# Allegro board 08_041351d.brd (continued)
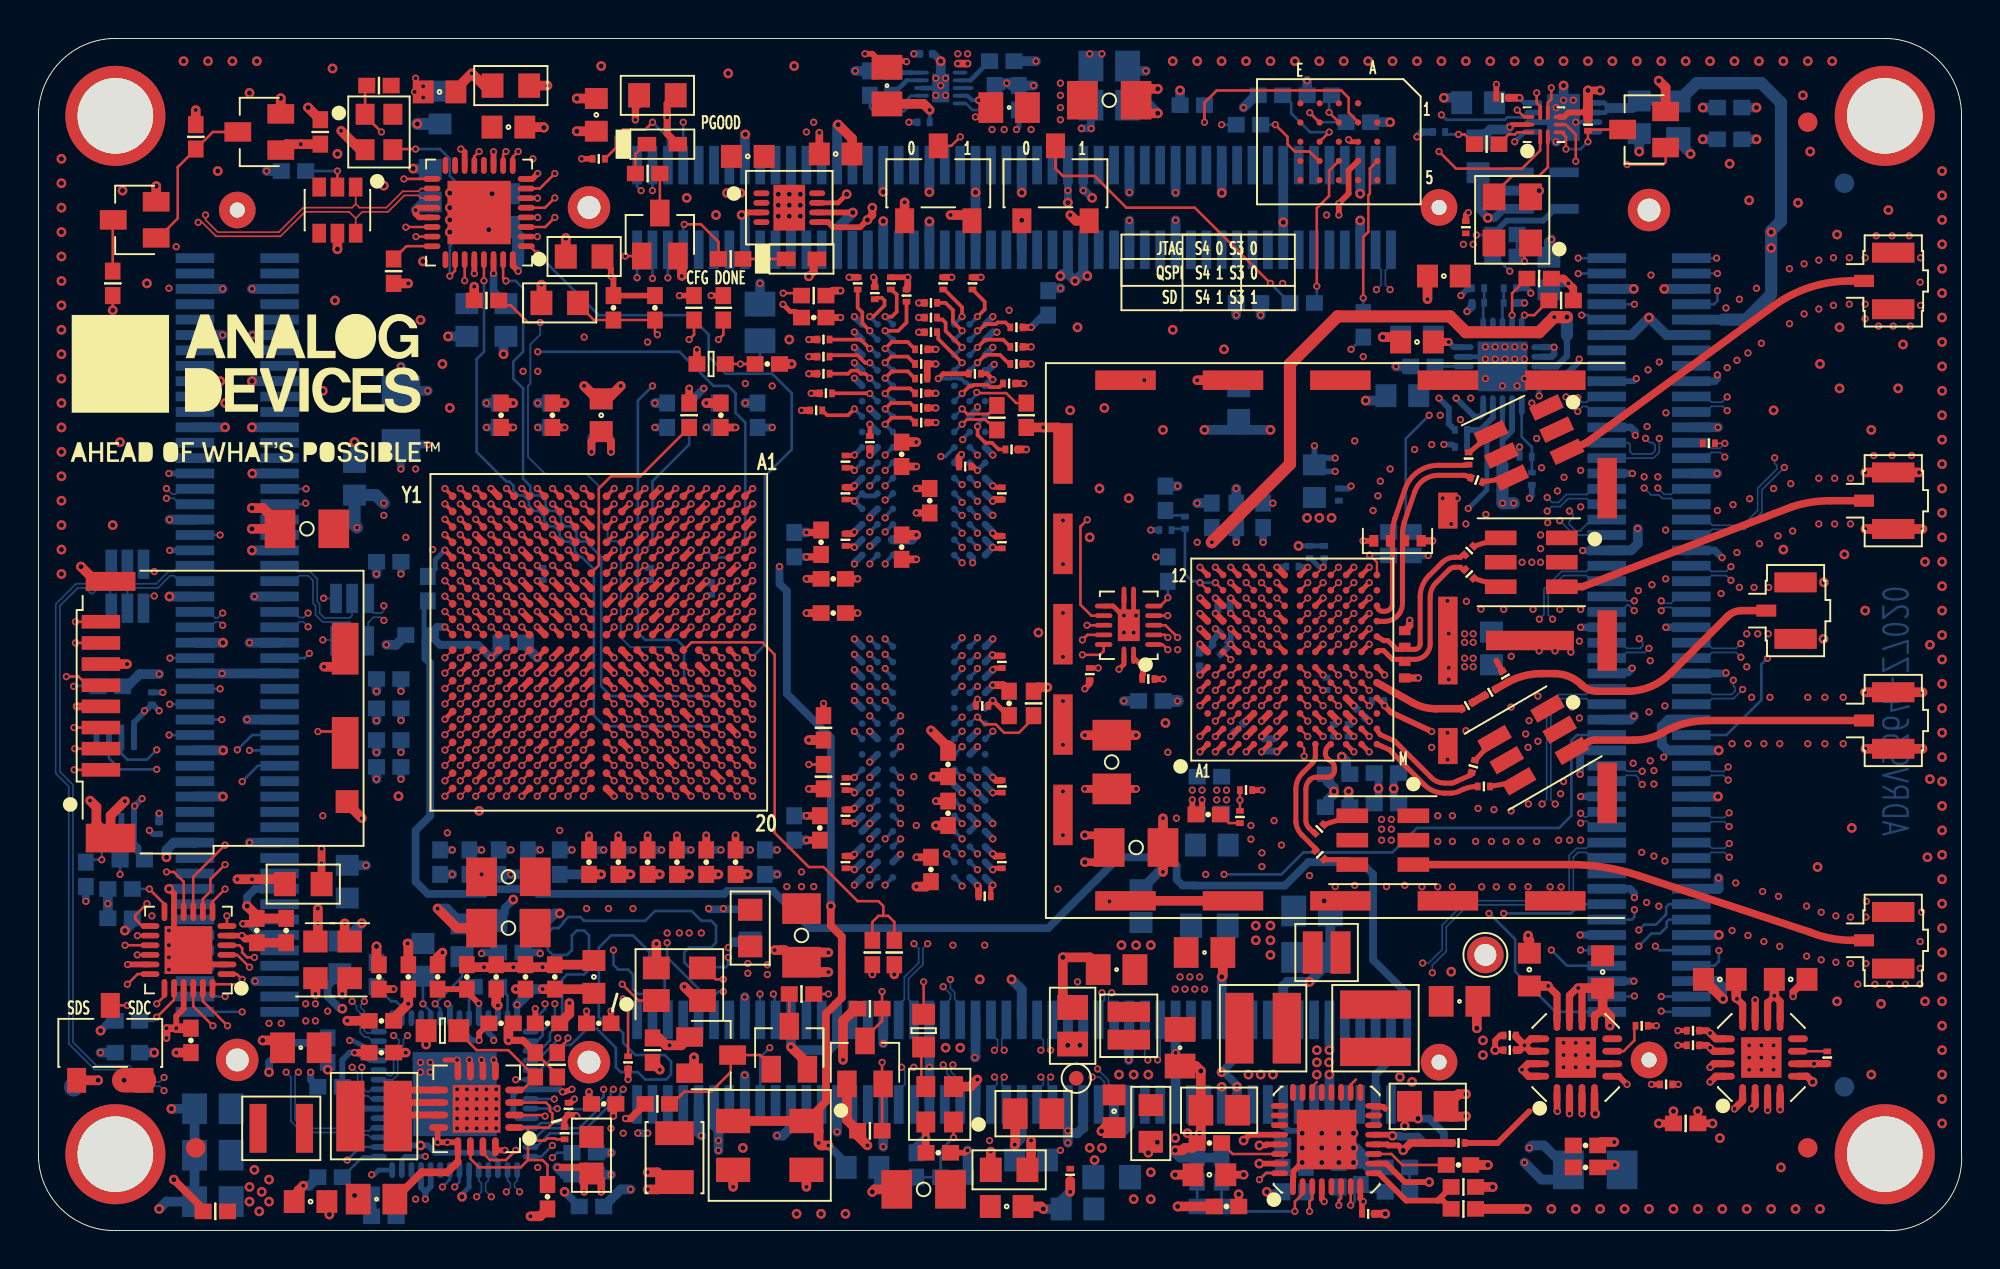
[diagram p0: board, top side]
## Nets (continued)
UNNAMED_8_CAP_I209_N2: C25.2(N2) T2.6(SEC_DOT)
UNNAMED_8_CAP_I210_N2: C26.2(N2) T2.4
UNNAMED_8_CAP_I395_N2: C12.2(N2) R2.2(N2)
UNNAMED_8_CAP_I409_N2: C99.2(N2) T4.6(SEC_DOT)
UNNAMED_8_CAP_I410_N2: C110.2(N2) T4.4
UNNAMED_8_CAP_I416_N1: C85.1 T3.6(SEC_DOT)
UNNAMED_8_CAP_I417_N1: C90.1 T3.4
UNNAMED_8_CAP_I425_N2: C105.2(N2) R123.2(N2)
UNNAMED_8_CNBNC3P_I358_CNTR: RXA.1 T1.3
UNNAMED_8_CNBNC3P_I359_CNTR: T2.3 TXA.1
UNNAMED_8_CNBNC3P_I360_CNTR: R1.1 R101.1 TXM.1
UNNAMED_8_CNBNC3P_I404_CNTR: T4.3 TXB.1
UNNAMED_8_CNBNC3P_I421_CNTR: RXB.1 T3.3
UNNAMED_8_ICFXL4T245_I328_T: R59.1 U22.6
UNNAMED_9_ADP1754_I1076_SS: C311.1 U19.7
UNNAMED_9_ADP1754_I1374_SS: C340.1 U20.7
UNNAMED_9_ADP2114_I1272_FREQ: R10.2(N2) U4.3
UNNAMED_9_ADP2114_I1272_OPCFG: R20.2(N2) U4.6
UNNAMED_9_ADP2114_I1272_SS1: C142.2(N2) U4.30
UNNAMED_9_ADP2114_I1272_SS2: C144.2(N2) U4.11
UNNAMED_9_ADP2114_I1272_SW1: L3.1 U4.23 U4.24
UNNAMED_9_ADP2114_I1272_SW3: L4.1 U4.17 U4.18
UNNAMED_9_ADP2164_I831_PVIN1: C66.1 L302.2(N2) R301.2(N2) R304.2(N2) U18.12 U18.13
UNNAMED_9_ADP2164_I831_RT: R38.1 U18.2
UNNAMED_9_ADP2164_I831_SYNC: C61.1 R301.1 U18.1 U18.3 U18.14(VIN)
UNNAMED_9_CAP_I1364_N1: C64.1 L3.2(N2) L10.1
UNNAMED_9_CAP_I1394_N1: C119.1 C127.1 L5.2(N2) L6.1
UNNAMED_9_CAP_I1398_N2: C127.2(N2) R48.2(N2) R49.1
UNNAMED_9_CAP_I1401_N1: C65.1 L4.2(N2) L7.1
UNNAMED_9_CAP_I1416_N2: C114.2(N2) R47.1
UNNAMED_9_CAP_I1449_N1: C69.1 R46.2(N2)
UNNAMED_9_DIOLED_I1180_N: D3.C R113.1
UNNAMED_9_RES_I987_N2: Q14.3 R113.2(N2)
UNNAMED_10_AD7291_I1_AS0: R65.2(N2) R66.1 U24.11
UNNAMED_10_AD7291_I1_AS1: R63.2(N2) R64.1 U24.13
UNNAMED_10_AD7291_I1_DCAP: C133.1 U24.8
UNNAMED_10_AD7291_I1_VIN3: R67.2(N2) R68.1 U24.1
UNNAMED_10_AD7291_I1_VIN6: R61.2(N2) R62.1 U24.4
UNNAMED_10_AD7291_I1_VREF: C158.1 U24.7(VREF)
UNNAMED_10_ADG772_I53_D1: C216.1 U5.2
UNNAMED_10_ADG772_I53_IN1: Q6.3 R33.2(N2) U5.4
UNNAMED_10_ADG772_I53_S1A: C62.2(N2) U5.1
UNNAMED_10_ADG772_I53_S1B: U5.3 Y4.3
UNNAMED_10_ADM7160_I65_VOUT: C5.1 C113.1 R55.1 U7.5(VOUT) Y4.4(VDD)
UNNAMED_10_RES_I39_N2: R54.2(N2) R55.2(N2) Y4.1
UNNAMED_13_CN100PODDEVEN_I16_N4: JP3.2(COM) JX3.58
UNNAMED_13_CN100PODDEVEN_I16_N5: JP4.2(COM) JX3.60
UNNAMED_13_CN100PODDEVEN_I17_N4: JP1.2(COM) JX3.57
UNNAMED_13_CN100PODDEVEN_I17_N5: JP2.2(COM) JX3.59
USB_ID: JX3.63 U15.23
USB_OTG_CPEN: JX3.70 U15.17
USB_OTG_N: JX3.69 U15.19 U16.6
USB_OTG_P: JX3.67 U15.18 U16.1
USB_VBUS_OTG: JX3.68(N9) U15.22
V_0_N: JX3.3 U1.K9
V_0_P: JX3.1 U1.L10
VTT_0P75: C79.1 C80.1 C101.1 R136.2(N2) R137.2(N2) R138.2(N2) R139.2(N2) R140.2(N2) R141.2(N2) R143.2(N2) R144.2(N2) R145.2(N2) R146.2(N2) R147.2(N2) R148.2(N2) R149.2(N2) R150.2(N2) R151.2(N2) R152.2(N2) R153.2(N2) R154.2(N2) R155.2(N2) R156.2(N2) R159.2(N2) R160.2(N2) R161.1 R162.2(N2) R163.2(N2) U14.3 U24.2
VTTVREF: C76.1 C77.1 C81.1 C84.1 C102.1 C103.1 C122.2(N2) C123.2(N2) U1.H6 U1.P6 U2.H1 U2.M8 U3.H1 U3.M8 U14.6 U24.3
XTAL_N: C165.1 C216.2(N2) U17.M12

Pads without a net: JX1 9 10 11 12 13 14 17 18 19 20 23 24 25 26 29 30 31 32 35 36 37 38 41 42 43 44 47 48 49 50 53 54 55 56 61 62 63 64 67 68 69 70 73 74 75 76 78 79 80 81 82 83 84 87 88 89 90 91 92 93 94 97 99; JX2 1 2 3 4 5 6 7 8 13 14 20 23 24 25 26 29 30 31 32 68 70 73 74 75 76 81 82 83 84 87 88 89 90 93 94 95 96 97 99 100; JX3 2 4 5 7 8 9 10 11 13 14 15 16 19 20 21 22 25 26 27 28 30 31 32 33 42 44 64 66 73 74 75 76 79 80 81 82 85 86 87 88 91 92 93 94 97 98 99 100; JX4 13 14 15 16 81 82; U2 J1 J9 L1 L9 M7; U3 J1 J9 L1 L9 M7; U4 5; U6 4; U7 4; U9 4; U10 9 12 29 31 32; U13 A2 A3 A5 B1 B5 C1 C3 C5 D1 D5 E1 E2 E3 E4 E5; U15 12 15 16 25; U16 3 4; U17 A3 M3 M11; U19 8; U20 8; U21 5; U24 12

## Via types
v1: diameter 0.381, hole 0.203, TOP to BOTTOM, 1838 vias
v2: diameter 0.508, hole 0.254, TOP to BOTTOM, 410 vias

## Routing (per net, layer and track width the routed paths; a pad name or vN(x,y) marks a point on that pad's centre or on a via; arc(x,y) is an arc through that point)
1.0V:
  vias: v1(36.88,13.89) v1(36.88,13.38) v1(37.9,13.82) v1(37.9,13.32) v2(10.97,2.27) v2(10.97,1.51) v2(11.23,3.16) v2(11.48,1) v2(11.61,2.01) v2(11.99,2.65) v2(11.99,1.51) v2(56.95,1.63) v2(57.71,4.05) v2(57.84,3.03) v2(57.84,1.63) v2(58.18,4.59)
1.8V: length 16.9
  TOP w0.305: R22.2 75.87,4.55 77.52,6.2
  TOP w0.356: v1(78.98,6.2) 78.96,6.23 U19.1
  TOP w0.381: U20.2 89.26,6.51 v1(89.08,6.33) ; v1(86.92,7.73) 87.22,8.02 U20.16 ; U19.16 77.48,8.02 v1(77.14,8.36) 77.45,8.67 U19.15 ; U20.15 87.1,8.67 v1(86.92,8.49) ; U20.1 88.61,6.75 v1(88.19,6.33) ; v1(79.61,6.08) U19.2 ; U20.3 v1(89.91,6.26) ; U19.3 v1(80.26,6.08)
  TOP w0.406: U20.4 v1(90.56,6.29) ; v2(80.95,6.08) 80.91,6.12 U19.4
  TOP w0.508: E9.1 v1(14.4,12.3)
  BOTTOM w0.254: R39.1 v2(63.87,2.01)
  vias: v1(11.99,10.78) v1(12.63,10.78) v1(13.9,11.79) v1(13.9,10.9) v1(14.4,11.79) v1(14.4,10.9) v1(15.04,11.41) v1(29.77,5.32) v1(30.41,5.06) v1(59.11,12.55) v1(59.36,13.19) v1(59.62,12.55) v1(59.87,13.19) v1(60.12,12.55) v1(60.38,13.19) v1(60.63,12.55)
1.35V: length 46.3
  TOP w0.508: E2.1 51.61,3.35 v1(51.61,4.68) ; R35.2 v2(75.62,2.27)
  L3_SIGNAL w0.635: v2(64.06,15.09) 64.65,15.09 65.08,14.67 65.08,5.95 64.82,5.7 64.82,3.16 65.33,2.65 69.39,2.65 70.28,1.76 75.11,1.76 v2(75.62,2.27)
  L4_SIGNAL w0.635: v1(51.61,4.68) 51.61,5.82 52.63,6.84 57.96,6.84 64.06,12.94 v2(64.06,14.33) v2(64.06,15.09) v2(64.06,15.86)
  vias: v2(63.3,15.86) v2(63.3,15.09)
3.3V: length 35.6
  TOP w0.305: 80.57,58.4 80.32,58.15 79.55,58.15 79.32,57.91 U5.6
  TOP w0.356: R43.1 v1(30.66,7.86)
  TOP w0.381: D3.A 32.69,57.04 v1(32.69,57.89) 32.69,58.59 E8.1
  TOP w0.406: C111.2 v1(73.33,46.21) ; C188.2 v1(77.01,58.91) ; R44.1 79.81,49 v1(79.55,49.26) 79.3,49.51 R42.1 ; v2(80.57,59.29) v2(81.21,59.29)
  TOP w0.508: v1(15.93,15.98) 15.93,15.28 E16.1 ; E7.1 v1(26.47,59.54) ; E15.1 12.56,18.27 v1(11.1,18.27) v1(10.34,18.27) ; v2(80.57,59.29) R33.1
  BOTTOM w0.254: U6.5 77.28,57.14 v1(76.76,56.62) ; v1(77.01,58.91) 77.28,58.64 U6.8
  BOTTOM w0.305: 5.51,26.97 C244.2 5.96,27.35 v1(6.28,27.03) ; 5.51,26.97 v1(5.51,27.03) ; 5.51,26.97 4.96,26.42 U21.8 ; v1(73.33,46.21) 73.6,45.94 U24.10 ; v1(72.82,43.29) 73.33,42.78 73.33,41.95 R61.1
  BOTTOM w0.33: U24.16 v1(78.81,45.94) 78.81,45.57 78.68,45.44 U24.17
  BOTTOM w0.406: R63.1 v1(77.27,48.24) ; R65.1 74.54,48.05 v1(74.28,47.8) ; v1(73.33,46.21) 72.79,46.21 C124.1 ; C199.1 75.96,58.91 v1(77.01,58.91) ; U7.1 76.19,53.13 75.71,52.66 v2(75.36,52.66) 74.86,53.17 C152.1 74.88,55.03 U7.3 ; C134.1 78.88,49.26 v1(79.55,49.26)
  vias: v2(35.8,53.96) v2(36.5,53.96)
GND: length 618.4
  TOP w0.127: 68.46,24.89 v1(68.4,24.89) ; 66.23,7.13 U4.22 66.23,7.49 66.47,7.73 ; 23.93,34.19 U1.U6
  TOP w0.152: R38.2 26.98,8.11 R29.1
  TOP w0.254: v1(21.94,28.99) U1.W12 ; U1.H11 v1(31.54,29.79) ; v1(61.2,24.89) U17.B1 ; v1(62,24.89) U17.C1 ; U1.Y5 v1(21.14,35.39) ; v1(36.34,38.59) U1.B1 ; U1.V9 v1(22.74,32.19) ; v1(64.4,26.49) U17.F3 ; C96.2 42.34,21.25 v1(42.43,21.17) ; U1.P7 v1(25.94,33.79) ; v1(66.8,26.49) U17.H3 ; U1.K13 v1(29.94,28.19) ; U1.M1 v1(27.54,38.59) ; v1(63.6,24.89) U17.E1 ; U17.F7 v1(64.4,30.49) ; 21.13,8.87 v1(21.77,8.87) ; v1(60.4,24.89) U17.A1 ; v1(62,33.69) U17.C11 ; v1(49.63,29.17) 49.72,29.25 C92.2 ; v1(69.2,32.89) U17.L10 ; U1.T3 v1(24.34,36.99) ; v1(60.4,27.29) U17.A4 ; U17.F11 v1(64.4,33.69) ; C102.2 42.29,39.67 v1(42.43,39.53) ; U1.N10 v1(26.74,31.39) ; C344.2 v1(85.24,9.63) ; C103.2 42.29,22.9 v1(42.43,22.77) ; U17.C9 v1(62,32.09) ; U5.10 76.63,57.51 v1(76.51,57.39) ; U1.D17 v1(34.74,24.99) ; v1(69.2,34.49) U17.L12 ; U1.E20 v1(33.94,22.59) ; U1.W2 v1(21.94,37.79) ; U1.K15 v1(29.94,26.59) ; U1.U16 v1(23.54,25.79) ; v1(49.63,38.73) 49.7,38.65 C109.2 ; U1.V19 v1(22.74,23.39) ; v1(42.43,35.53) 42.35,35.6 C115.2 ; v1(36.34,29.79) U1.B11 ; U1.C14 v1(35.54,27.39) ; U1.C4 v1(35.54,36.19) ; v1(70,28.89) U17.M6 ; U1.J8 v1(30.74,32.99) ; U1.H9 v1(31.54,32.19) ; v1(68.12,56.73) 68.23,56.62 U13.B3 ; U1.R8 v1(25.14,32.99) ; v1(70,27.29) U17.M4 ; v1(68.4,34.49) U17.K12 ; v1(49.63,18.77) 49.7,18.84 C95.2 ; v1(57.08,31.99) 56.94,32.12 U22.7 ; U1.G10 v1(32.34,31.39) ; U1.H19 v1(31.54,23.39) ; C87.2 50.41,26.78 v1(49.63,27.57) 49.39,27.33 C123.1 ; v1(21.14,26.59) U1.Y15 ; v1(66.8,32.89) U17.H10 ; C112.2 49.68,35.48 v1(49.63,35.53) ; U1.L18 v1(28.34,24.19) ; U1.R20 v1(25.14,22.59) ; U17.G12 v1(66,34.49) ; v1(60.4,28.89) U17.A6 ; v1(67.6,25.69) U17.J2 ; U1.J12 v1(30.74,28.99) ; U1.F7 v1(33.14,33.79) ; U1.C9 v1(35.54,32.19) ; U1.F10 v1(33.14,31.39) ; U1.P17 v1(25.94,24.99) ; v1(49.63,44.25) 49.32,44.56 C122.1 ; v1(69.2,33.69) U17.L11 ; v1(27.54,28.19) U1.M13 ; v1(61.2,34.49) U17.B12 ; C118.2 42.34,38.02 v1(42.43,37.93) ; v1(60.4,25.69) U17.A2 ; U1.K7 v1(29.94,33.79) ; U1.G16 v1(32.34,25.79) ; C94.2 49.64,22.78 v1(49.63,22.77) ; v1(23.53,34.59) 23.93,34.19 ; C343.2 v1(85.24,10.4) ; U1.T7 v1(24.34,33.79) ; U1.E10 v1(33.94,31.39) ; v1(61.2,25.69) U17.B2 ; U1.P9 v1(25.94,32.19) ; v1(62.8,24.89) U17.D1 ; C120.2 39.36,47.8 39.08,47.8 v1(38.71,48.17) ; U17.C8 v1(62,31.29) ; C117.2 43.23,41.92 v1(43.23,41.93) ; U17.A12 v1(60.4,34.49) ; v1(62.8,34.49) U17.D12 ; U1.G12 v1(32.34,28.99) ; C116.2 48.62,39.73 v1(48.83,39.53) ; v1(62,34.49) U17.C12 ; U22.8 56.44,31.99 v1(56.44,31.99) 56.38,31.99 55.88,32.48 U22.9 ; v1(69.2,31.29) U17.L8 ; U17.L1 v1(69.2,24.89) ; U1.H7 v1(31.54,33.79) ; v1(66.8,30.49) U17.H7 ; v1(66.8,25.69) U17.H2 ; v1(62,27.29) U17.C4 ; v1(64.4,24.89) U17.F1 ; v1(69.2,25.69) U17.L2 ; 21.81,8.58 U18.8 ; U17.C10 v1(62,32.89) ; v1(68.4,25.69) U17.K2 ; v1(69.2,32.09) U17.L9 ; U1.P11 v1(25.94,29.79) ; U17.F9 v1(64.4,32.09) ; v1(27.54,29.79) U1.M11 ; v1(42.43,18.77) 42.35,18.84 C97.2 ; U1.N4 v1(26.74,36.19) ; U1.P13 v1(25.94,28.19) ; U1.L8 v1(28.34,32.99) ; v1(69.2,26.49) U17.L3 ; U1.N14 v1(26.74,27.39) ; U1.H13 v1(31.54,28.19) ; U1.K5 v1(29.94,35.39) ; v1(66.8,28.89) U17.H6 ; U1.N8 v1(26.74,32.99) ; v1(69.2,30.49) U17.L7 ; U1.N12 v1(26.74,28.99) ; U1.M7 v1(27.54,33.79) ; C91.2 49.52,17.86 v1(49.63,17.97) ; U1.F3 v1(33.14,36.99) ; U1.J2 v1(30.74,37.79) ; U1.A18 v1(37.14,24.19) ; U17.K1 v1(68.4,24.89) ; U1.R12 v1(25.14,28.99) ; v1(62,25.69) U17.C2 ; U1.K11 v1(29.94,29.79) ; U17.C7 v1(62,30.49) ; v1(60.4,28.09) U17.A5 ; U1.L12 v1(28.34,28.99) ; U1.A8 v1(37.14,32.99) ; U1.T13 v1(24.34,28.19)
  TOP w0.267: v1(72.44,25.95) arc(72.38,25.99) 72.32,26.02
  TOP w0.305: v2(36.56,52.81) 36.88,52.94 U9.3 ; C196.2 v1(20,58.92) ; C196.2 v1(20,59.51) ; C196.2 v1(19.56,59.21) ; v1(21.77,8.87) 21.81,8.58 ; v1(22.4,8.87) 22.46,8.62 U18.7 ; v1(48.72,57.91) 49.35,57.91 49.84,58.4 C79.2 ; R133.2 43.49,49.51 v1(43.42,49.57) ; v1(74.35,52.94) 74.22,52.81 C113.2 ; U4.1 65.23,2.78 65.26,2.8 65.26,3.08 v2(65.71,3.54) ; U9.6 42.34,52.94 v2(42.34,52.94) ; U18.5 23.76,8.55 v1(23.67,8.87) ; 76.12,29.09 75.81,29.64 ; C246.2 54.66,28.43 v1(54.41,28.18) ; C13.1 v1(63.62,22.9) ; U18.6 23.11,8.62 v1(23.04,8.87) ; C314.2 76,10.14 75.74,9.89 v2(75.74,9.38) C315.2 ; v2(6.79,17.77) 7.05,17.52 U11.11 7.05,15.34 U11.PAD 8.55,13.84 U11.2 ; 72.32,26.02 70.32,26.95 v1(70,27.29) ; C311.2 v1(84.13,10.65) ; v1(48.31,4.17) 48.19,4.05 47.68,4.05 ; C225.2 v1(29.77,11.41) ; C245.2 v1(58.47,28.68) ; v1(45.14,60.79) 45.11,60.81 44.38,60.81 44.12,60.56 C81.2 44.06,60.5 43.36,61.2 v1(42.98,61.2) ; C188.1 v1(75.81,59.61) ; v1(60,22.4) 60,21.83 C12.1 60.5,21.95 v1(60.5,22.4)
  TOP w0.381: v1(39.93,36.3) 40.57,36.3 C159.2 ; C107.2 v1(45.65,38.59) ; C341.2 91.89,13.06 91.24,12.41 v1(91.24,12.17) ; C54.2 11.08,15.96 v1(10.63,15.96) ; v1(79.94,9.13) 80.39,8.67 U19.6 ; U20.6 v1(92.33,8.67) 92.33,8.68 C340.2 ; C72.2 v1(39.93,20.3) ; v1(29.9,5.95) 29.9,6.46 C224.2 ; C79.2 49.14,58.78 v1(48.88,58.78) ; R29.1 25.2,9.89 v1(24.44,9.89) ; C10.2 v1(42.6,33.89) ; C163.2 v1(42.6,32.11)
  TOP w0.508: C179.2 v1(24.69,43.03) ; R165.2 51.94,28.25 v1(52.47,28.25) ; C218.2 22.4,13.7 v1(23.17,13.7) 23.67,13.7 C73.2 23.93,13.7 v1(24.69,13.7) 25.2,13.7 C217.2 25.45,13.7 v1(26.21,13.7) 26.72,13.7 C63.2 28.67,13.82 C58.2 ; R34.2 v2(77.4,1.12) ; v1(50.76,4.46) 50.79,4.49 C139.2 ; 31.68,18.52 v1(32.31,18.52) ; 81.7,22.89 M1.GND16 ; v1(58.47,21.44) v1(58.47,18.65) ; R26.2 v1(40.06,25.51) ; v2(74.22,7.09) 73.84,7.09 73.2,6.46 C45.2 73.14,6.27 73.48,5.93 74.2,5.93 v2(74.22,5.95) ; C191.2 55.46,5.35 v2(55.28,5.17) ; Q14.2 33.45,50.48 v1(33.45,49.64) ; v2(11.1,37.57) 11.67,37.57 12.56,36.68 C29.2 v2(11.1,36.49) ; C211.2 19.23,14.89 v1(19.19,14.93) ; C364.2 v1(53.65,2.01) ; v2(26.28,57.36) 26.25,57.39 C183.2 ; 47.68,4.05 C39.2 ; M1.GND6 53.27,41.51 53.02,41.76 v1(52.25,41.76) R166.2 ; C175.2 v1(27.36,43.03) ; 28.63,18.52 v1(29.26,18.52) ; R176.2 v1(19.23,49.26) ; v1(53.27,25.26) M1.GND9 v1(53.27,27.53) ; v2(41.58,57.51) 42.31,56.79 C36.2 ; R191.2 v1(44.5,13.32) ; C203.2 16.07,10.9 v1(16.05,10.92) ; 34.72,18.52 v1(35.36,18.52) ; v2(74.79,10.52) 74.79,11.87 C65.2 ; C178.2 v1(39.17,45.07) ; v2(58.2,58.1) 57.31,58.1 57.06,58.36 57.06,58.99 ; C208.2 v1(19.1,9.25) ; C137.2 53.77,11.67 53.27,12.17 v2(53.27,14.21) 54.66,14.21 55.11,13.76 C135.2 ; v1(94.99,25.05) RXA.3 v1(97.97,25.05) ; C342.2 86.92,12.72 86.92,12.7 87.07,12.55 87.09,12.55 v2(87.59,12.05) ; C226.2 24.44,10.52 v1(24.44,9.89) ; M1.GND4 v1(60.25,44.22) ; v2(17.58,14.78) R50.2 C49.2 ; C201.2 20.75,14.21 v1(21.01,14.46) ; v1(16.82,21.44) 16.05,22.21 J3.GND2 ; 72.19,44.22 M1.GND2 ; v1(57.08,25.76) C2.2 v1(54.41,25.76) ; v1(53.27,20.56) M1.GND10 v1(53.27,22.84) ; v1(13.77,2.33) 13.51,2.08 13.51,1.72 C78.2 ; SW1.2B v1(36.12,2.27) ; v2(61.53,13.2) 61.58,13.25 C129.2 ; S4.1 v1(45.04,53.48) ; C146.2 v2(59.23,1.25) ; C41.2 v1(7.16,9.25) ; S1.1 v2(3.1,7.81) ; v1(81.97,3.41) 81.21,3.41 C149.2 ; C1.2 21.77,15.73 v1(20.75,16.75) ; v1(30.28,43.92) 29.61,43.25 C71.2 29.05,43.25 v1(28.37,43.92) ; C106.2 v1(45.65,41) ; C108.2 v1(45.65,36.18) ; v2(43.36,2.01) 43.49,2.14 C138.2 ; C100.2 57.08,58.97 57.06,58.99 ; Q6.2 84.61,59.44 v2(84.25,59.8) ; v1(94.99,39.43) TXA.2 v1(97.79,39.43) ; v2(69.9,46.46) 70.58,46.46 C111.1 ; v1(33.58,12.68) 34.3,11.96 Y2.2 ; v1(48.82,7.86) 48.45,7.49 Y1.2 ; C50.2 27.11,10.78 27.61,11.27 v1(27.61,11.83) ; Q4.2 v2(6.12,54.31) ; J3.GND4 2.98,33.76 v2(2.21,34.53) ; Y3.2 16.72,56.21 v1(15.74,57.19) ; v1(94.97,28) RXA.2 v1(97.97,28) ; v1(97.97,36.48) TXA.3 v1(94.99,36.48) ; C53.2 v1(34.72,43.03) ; v1(53.27,32.12) M1.GND8 v1(53.27,29.83) ; 63.03,17.15 M1.GND12 M1.GND11 ; 36.25,18.52 v1(36.88,18.52) ; v1(81.94,4.6) 81.26,4.6 C148.2 ; C197.2 v2(27.99,57.17) ; C88.2 46.15,17.89 v1(45.65,17.89) ; v1(2.68,22.36) 3.01,22.03 3.01,21.15 J3.GND1 3.75,21.59 v1(4.5,22.33) ; v2(58.2,59.37) 57.44,59.37 57.06,58.99 ; Q1.2 34.09,8.41 34.09,9.01 v1(34.08,9.01) ; Y2.4 v1(32.13,14.91) ; Q3.2 39.98,8.69 v1(39.13,9.54) ; C144.1 v2(75.36,3.41) ; C193.2 52.12,1.25 v2(52.25,1.12) ; C61.2 26.09,0.74 v1(25.58,0.74) ; v1(72.23,48.43) C5.2 ; C89.2 v1(46.53,23.6) ; U16.5 v2(15.55,51.04) ; J3.6 v1(4.61,29.46) ; SW1.2A v1(39.93,2.27) ; E12.1 v2(27.42,51.61) ; C64.2 60.19,8.55 v2(60.44,8.3) C37.2 60.44,4.74 C142.1 60,4.3 59.62,4.3 59.49,4.17 v2(59.11,4.17) ; 33.2,18.52 v1(33.83,18.52) ; C119.2 12.31,9.89 v2(11.66,9.89) ; R13.2 v1(32.31,8.36) ; C313.2 77.52,15.09 77.46,15.16 v1(77.46,15.35) ; R14.2 v2(14.02,58.4) ; v2(10.85,16.87) 11.36,16.36 C54.2 C55.2 ; v1(53.27,34.66) M1.GND7 v1(53.27,36.93) ; v1(14.85,29.32) 15.67,29.32 15.95,29.6 J3.GND3 ; C86.2 v1(46.66,21.06) ; Q2.2 v2(12.6,58.88) ; M1.GND13 v2(66.85,17.15) ; v1(57.5,44.22) M1.GND5 ; C150.2 v2(59.11,2.9) ; 30.15,18.52 v1(30.79,18.52)
  BOTTOM w0.203: U3.D8 v1(48.83,37.13) ; U3.E8 v1(48.83,37.93) ; U3.G8 v1(48.83,39.53) ; v1(48.88,58.78) 48.55,58.78 48.31,59.02 U14.4 ; v1(48.06,41.13) 48.06,41.16 U3.J8 ; U3.G1 v1(42.43,39.53) ; U3.T9 49.23,47.13 ; U3.E1 v1(42.43,37.93)
  BOTTOM w0.254: U3.E1 42.95,38.21 43.51,38.21 U3.E2 ; U3.D1 42.83,37.53 v1(42.43,37.93) ; U24.9 75.63,45.44 ; v1(35.87,14.71) 36.16,15.01 ; U6.PAD 79.55,57.64 U6.3 ; U24.6 74.87,43.94 v1(75.24,44.3) ; C330.2 65.96,34.53 v1(66,34.49) ; C169.2 20.63,34.4 20.63,34.88 v1(21.14,35.39) ; U3.G9 49.23,39.93 v1(48.83,39.53) ; v2(65.52,35.6) C355.2 C356.2 ; U14.8 U14.PAD ; C80.2 50.98,57.39 v1(50.85,57.26)
  BOTTOM w0.305: C98.2 66.7,40.18 v1(67.43,40.18) ; C98.2 v1(66.35,40.81) ; C98.2 66.69,39.48 v1(67.43,39.48) ; U2.F9 v1(48.83,22.77) ; U21.4 3.01,22.03 v1(2.68,22.36) ; JX4.18 82.95,44.17 v1(83.08,44.3) ; v1(68.25,38.72) 68.12,38.59 C93.1 ; 64.73,5.47 65.01,5.19 65.58,5.19 v2(65.71,5.06) ; v1(73.97,48.62) 74.3,48.95 74.49,48.95 R66.2 ; R62.2 73.52,40.88 73.08,40.88 v1(73.08,40.88) ; v1(77.6,48.75) 77.6,48.8 77.4,49 R64.2 ; C76.2 25.97,33.83 v1(25.94,33.79) ; 58.73,35.03 v1(58.09,35.03) ; C104.1 v1(57.84,36.43) ; C335.2 v1(64.19,37.83) ; C84.2 v1(45.26,57.64) ; JX3.71 v1(6.78,39.37) ; v1(31.54,33.79) 31.57,33.83 C77.2 ; v1(62,31.29) v1(62,30.49) ; v1(5.77,20.81) 5.96,20.62 C243.1 ; U2.D8 v1(48.83,21.17) ; R68.2 v1(77.01,40.75) ; C244.1 v1(6.47,27.98) ; U6.PAD 79.05,57.64 U6.6 ; JX3.61 v1(6.83,35.37)
  BOTTOM w0.356: U2.B1 v1(42.43,18.77) ; v1(62,25.69) 62.18,25.88 C334.2 ; U2.J8 v1(48.83,25.17) ; v1(62,32.89) 61.96,32.86 C321.2 61.96,32.12 v1(62,32.09) ; C326.2 67.59,25.7 v1(67.6,25.69) ; C319.2 v1(62,30.49) 61.49,29.99 C360.2 ; R125.2 69.97,27.32 v1(70,27.29) ; U3.J2 v1(43.23,41.93) ; U3.A9 v1(49.63,35.53) U3.B9 ; U2.E1 v1(42.43,21.17) ; v1(49.63,47.53) 49.63,47.53 49.23,47.13 ; U2.T9 49.23,30.37 v1(49.63,30.77) ; U3.M1 v1(42.43,44.33) ; U2.M1 v1(42.43,27.57) ; U3.B1 v1(42.43,35.53) ; U2.P9 v1(49.63,29.17) ; U2.T1 v1(42.43,30.77) ; U2.J2 v1(43.23,24.37) ; v1(48.83,22.77) U2.G8 ; U2.M9 v1(49.63,27.57) ; C325.2 60.38,28.91 v1(60.4,28.89) ; U2.G9 v1(49.63,22.77) ; U2.B9 v1(49.63,18.77) ; U3.M9 49.55,44.25 v1(49.63,44.25) ; U2.B3 v1(44.83,19.57) ; U2.E8 v1(48.83,21.17) ; C333.2 69.01,26.68 v1(69.2,26.49) ; U2.A9 v1(49.63,17.97) ; C329.2 68.39,25.7 v1(68.4,25.69) ; U2.P1 v1(42.43,29.17) ; U2.E2 v1(43.23,21.17) ; U3.P1 v1(42.43,45.93) ; U3.P9 v1(49.63,45.93) ; U3.F9 v1(49.63,38.73) ; v1(63.6,24.89) 63.64,24.94 C322.2 64.35,24.94 v1(64.4,24.89) ; U3.T1 v1(42.43,47.53) ; U2.G1 v1(42.43,22.77)
  BOTTOM w0.381: v1(80.16,15.37) JX4.90 ; U2.D1 v1(43.23,21.17) ; JX4.30 v1(82.88,39.37) ; v1(80.29,35.36) 81.54,35.36 JX4.40 ; JX4.84 82.75,17.77 82.98,17.54 v1(82.98,17.32) ; v1(82.96,12.97) JX4.96 ; v1(10.63,15.96) 10.95,15.96 11.54,15.37 JX3.12 ; v1(87.3,44.49) 87.3,44.3 87.17,44.17 JX4.17 ; C43.1 46.53,61.2 v2(46.92,60.81) ; C165.2 v1(72.26,35.11) ; JX4.24 82.8,41.77 83.03,41.54 v1(83.03,41.36) ; v1(71.68,56.88) 71.93,57.13 R5.2 ; v1(14.15,8.24) 14.15,7.86 C214.2 ; v1(87.54,35) 87.17,35.37 JX4.39 ; JX4.72 v1(80.19,22.57) ; v1(80.19,31.37) JX4.50
  BOTTOM w0.406: C320.2 70.47,23.53 v2(70.47,22.98) 70.47,22.47 C323.2 ; JX4.56 81.6,29.03 82.65,29.03 v1(82.87,29.24) ; R135.2 v1(34.6,43.8) ; JX4.66 80.36,24.97 80.16,24.77 v1(80.16,23.73) ; JX4.49 v1(84.62,31.37) ; JX3.18 11.26,17.77 10.85,17.35 v2(10.85,16.87) ; v1(87.75,29) 87.72,28.97 JX4.55
  BOTTOM w0.508: C181.2 v2(23.59,53.92) ; C101.2 52.63,49 v1(53.14,49) ; v2(69.01,43.16) 69.81,43.16 C158.2 ; U3.B3 45.4,35.93 v1(45.65,36.18) ; v1(83.16,36.51) 83.16,35.72 82.81,35.37 JX4.40 ; C82.2 57.77,58.53 v2(58.2,58.1) ; v2(4.5,15.6) 4.88,15.98 4.88,16.24 ; JX2.21 v1(39.13,9.54) 39.29,9.38 41.07,9.38 41.53,9.83 JX2.27 ; C331.2 v1(56.44,27.54) ; JX1.86 v2(64.73,52.43) JX1.85 ; C200.2 v2(83.24,56.12) ; C199.2 73.97,58.66 73.71,58.91 v2(73.08,58.91) ; JX2.22 39.13,5.37 38.7,4.93 v1(38.41,4.93) ; JX1.28 41.53,52.12 v2(42.34,52.94) ; JX1.27 41.53,57.46 v2(41.58,57.51) ; JX4.61 84.76,26.57 84.41,26.22 84.41,25.28 84.71,24.97 JX4.65 v2(87.36,24.97) ; v1(76.89,43.92) 76.76,44.3 U24.PAD v1(75.74,45.32) 75.24,45.83 v1(75.24,45.96) ; JX4.83 87.36,17.77 v1(87.36,18.33) ; JX1.40 v2(46.33,52.48) ; C361.2 v2(89.33,58.4) ; v2(46.92,60.81) v1(46.92,59.54) U14.PAD ; 34.72,18.52 v1(35.36,18.52) ; JX1.15 36.73,56.98 v2(36.76,57) ; JX4.29 v1(87.28,39.37) ; JX1.21 39.13,53.92 ; v1(48.82,7.86) 48.73,7.76 JX2.46 ; JX2.15 v1(36.73,12.15) ; JX2.91 v2(67.13,9.38) ; C147.2 58.26,18.65 v1(58.47,18.65) ; v2(6.28,1.12) 6.66,1.51 C131.2 C130.2 C128.2 v2(6.91,6.33) ; C145.1 v2(16.44,41) ; JX3.35 v2(9.61,24.97) ; v1(56.69,8.87) 56.69,10.92 JX2.65 ; v2(16.82,15.98) 15.89,15.06 C219.2 ; v1(30.79,2.14) 30.28,2.14 C75.2 ; v1(62.66,58.4) 63.3,59.04 R120.2 ; C17.2 v1(25.96,43.03) ; v1(78.67,51.54) 78.54,51.42 C134.2 ; 20.88,18.52 v1(21.52,18.52) ; C184.2 20.33,55.23 v2(19.48,55.23) ; C24.1 62.41,41.64 ; 62.41,41.64 v2(60.63,41.64) ; 62.41,41.64 v2(64.06,41.64) ; JX1.16 36.73,52.65 v2(36.56,52.81) ; v1(29.26,18.52) 27.1,18.52 ; JX3.96 v1(11.1,48.97) ; v1(11.12,46.57) JX3.90 ; C83.2 56.88,60.31 v1(57.58,60.31) ; 36.16,15.01 C195.2 ; C48.2 25.33,30.4 v1(25.94,29.79) ; C171.2 v1(17.58,34.14) ; C170.2 18.59,30.46 v1(18.09,30.46) ; JX3.65 v1(6.82,36.97) ; C105.1 v1(59.23,38.72) ; v1(76.51,57.39) 76.38,57.26 75.49,57.26 74.94,56.71 C152.2 ; C11.2 v1(32.06,43.03) ; v2(55.28,5.17) 56.42,5.17 56.73,5.48 JX2.66 ; C125.2 v1(36.76,43.03) ; JX4.62 82.78,26.57 v1(82.96,26.75) ; JX3.29 v2(9.59,22.57) ; 17.32,0.74 17.32,1.89 17.26,1.82 v2(16.44,1.82) ; C34.2 43.7,2.36 v2(43.36,2.01) ; R41.2 48.31,2.9 v1(48.31,4.17) ; v1(28.37,43.92) 29.05,43.25 C71.2 29.61,43.25 v1(30.28,43.92) ; U7.2 v2(78.03,54.08) ; v2(6.66,19.41) 6.66,19.79 7.04,20.17 8.14,20.17 JX3.23 ; v1(9.58,46.57) JX3.89 ; C70.2 v1(39.93,20.3) ; JX1.52 v2(51.13,52.54) ; 23.93,18.52 v1(24.56,18.52) 25.45,18.52 ; JX3.6 v1(11.26,12.97) ; v1(20.25,43.67) C27.2 v1(18.85,44.94) ; JX4.95 87.27,12.97 87.56,12.68 87.56,12.08 v2(87.59,12.05) ; JX2.86 64.73,5.47 ; v1(13.77,2.33) 14.09,2.33 R12.1 ; C46.2 v1(17.58,28.05) ; C365.2 v1(50.76,4.46) 51.07,4.77 51.07,4.91 51.13,4.97 JX2.52 ; C324.2 67.04,23.6 67.04,23.35 67.36,23.03 v2(67.36,22.84) 67.36,22.71 67.04,22.4 67.04,22.14 C328.2 ; U6.PAD 78.92,56.75 v1(78.92,56.62) ; JX3.56 v1(11.23,32.97) ; v2(9.45,44.17) JX3.83 ; C22.2 v1(17.58,24.87) ; JX2.92 v2(67.13,8.11) ; JX2.77 v2(61.53,13.2) ; C358.2 v2(89.33,56.75) ; 37.77,18.52 v1(38.41,18.52) ; v2(27.1,16.49) 26.85,16.49 26.47,16.11 C210.2 ; v2(59.11,4.17) 59.11,4.05 59.36,3.79 C69.2 C67.2 ; JX3.95 v1(9.58,48.97) ; v1(20.75,16.75) 21.22,16.75 C60.2 ; JX1.39 v2(46.33,54) ; 70.03,3.28 69.14,3.28 C68.2 68.76,4.05 68.51,4.3 v2(68.38,4.3) ; v2(69.9,46.46) C124.2 ; JX2.39 v1(46.33,8.49) JX2.40 ; 36.25,18.52 v1(36.88,18.52) ; JX3.55 v2(6.81,32.97) ; JX4.71 v2(87.33,22.57) ; C198.2 v1(17.03,18.99) ; JX1.77 v2(61.53,53.96) ; JX3.84 v2(11.1,44.17) ; v2(11.1,35.37) JX3.62 ; C59.2 v1(19.19,14.93) ; C327.2 v1(60.25,37.83) ; JX4.5 v2(84.54,48.97) ; v1(79.3,58.78) v2(79.3,59.54) ; JX2.45 48.73,9.03 v1(48.69,9) ; JX4.23 v1(87.33,41.77) ; C212.2 v1(29.77,2.9) ; C40.2 v1(63.55,47.61) ; JX1.71 v1(59.13,53.98) ; C182.2 v2(21.3,46.5) ; C167.2 v1(17.58,26.52) ; JX1.45 v2(48.73,53.99) JX1.46 ; v2(50.6,13.06) 51.13,12.53 JX2.51 ; R50.2 v2(17.58,14.78) ; JX2.34 v1(43.93,4.36) ; JX1.96 v2(68.73,52.53) ; C332.2 v1(62.28,38.59) ; v2(52.25,1.12) C194.2 53.18,1.54 v1(53.65,2.01) ; JX1.95 v2(68.73,53.92) ; C20.2 v1(23.29,43.03) ; JX2.85 64.73,12.72 64.95,12.94 v2(66.09,12.94) 67.17,14.01 C136.2 C132.2 ; JX2.71 v1(59.13,9.25) JX2.72 ; JX3.17 v2(6.79,17.77) ; 22.4,18.52 v1(23.04,18.52) ; JX2.33 v1(43.93,9.74) ; v1(10.85,26.57) JX3.40 ; C57.2 v2(6.02,9.25) ; C133.2 v1(70.59,44.94) ; C18.2 v1(17.58,23.48) ; JX4.12 82.84,46.57 v2(83.75,47.48) 84.65,46.57 JX4.11 ; R119.2 v2(70.28,57.64) ; C251.2 v1(37.52,49.26) ; JX1.72 v1(59.13,52.54) ; JX2.28 v1(41.53,5.13) ; 30.15,18.52 v1(30.79,18.52) ; C162.2 v1(39.93,36.3) ; JX3.49 v2(9.59,30.57) ; JX1.51 v2(51.13,53.98) ; JX3.78 v2(11.1,41.77) ; JX3.50 v1(10.97,30.57) ; JX1.66 v1(56.73,52.53) ; JX1.22 39.13,52.43 ; C121.2 v1(34.72,43.03) ; 65.71,3.47 v2(65.71,3.54) ; JX3.77 v2(9.7,41.77) ; JX1.34 v2(43.93,52.49) ; JX2.16 v1(36.73,8.08) ; v2(67.62,3.54) v2(67.62,4.3) ; v2(87.38,15.37) JX4.89 ; JX1.65 v1(56.73,53.99) ; C32.2 24.18,46.37 v2(24.18,45.57) ; v1(10.98,20.17) JX3.24 ; 33.2,18.52 v1(33.83,18.52) ; JX4.6 v2(82.95,48.97) ; v2(11.12,39.37) JX3.72 ; JX1.33 v2(43.93,54.02) ; 31.68,18.52 v1(32.31,18.52) ; R116.2 v2(59.36,59.29)
  vias: v1(5.89,16.36) v1(6.78,49) v1(6.78,15.6) v1(6.78,14.84) v1(6.78,14.21) v1(6.78,13.57) v1(7.16,51.16) v1(14.78,21.57) v1(19.1,36.05) v1(19.61,59.93) v1(19.86,8.74) v1(19.86,8.24) v1(20.37,8.74) v1(20.37,8.24) v1(21.26,20.68) v1(21.77,7.35) v1(21.77,6.84) v1(21.77,6.33) v1(21.77,5.82) v1(21.77,5.32) v1(22.28,7.35) v1(22.28,6.84) v1(22.28,6.33) v1(22.28,5.82) v1(22.28,5.32) v1(22.79,7.35) v1(22.79,6.84) v1(22.79,6.33) v1(22.79,5.82) v1(22.79,5.32) v1(23.29,7.35) v1(23.29,6.84) v1(23.29,6.33) v1(23.29,5.82) v1(23.29,5.32) v1(23.8,7.35) v1(23.8,6.84) v1(23.8,6.33) v1(23.8,5.82) v1(23.8,5.32) v1(36.76,44.05) v1(38.15,43.92) v1(38.91,17.89) v1(39.68,17.89) v1(40.31,17.89) v1(45.52,23.6) v1(45.65,21.06) v1(46.66,59.93) v1(46.66,59.04) v1(47.17,59.93) v1(47.17,59.04) v1(47.55,14.84) v1(49.2,14.84) v1(53.01,17.76) v1(55.69,17.11) v1(56.44,31.1) v1(56.95,31.1) v1(59.23,30.21) v1(60,22.9) v1(60.5,22.9) v1(64.25,21.32) v1(64.63,20.05) v1(64.7,49.26) v1(66.09,18.46) v1(66.98,52.81) v1(67.43,17.89) v1(68.44,41.07) v1(68.44,17.95) v1(68.89,45.45) v1(69.39,37.45) v1(69.65,38.21) v1(69.78,38.97) v1(69.84,21.38) v1(69.84,20.87) v1(69.84,20.3) v1(70.09,17.89) v1(70.28,39.61) v1(70.35,21.38) v1(70.35,20.87) v1(70.35,20.3) v1(71.05,17.95) v1(71.55,40.62) v1(71.93,17.88) v1(72.44,40.88) v1(72.44,25.13) v1(72.76,21.57) v1(72.76,20.24) v1(72.76,17.88) v1(72.89,42.4) v1(73.01,38.08) v1(73.27,32.75) v1(73.27,25.89) v1(73.27,24.49) v1(73.33,31.05) v1(73.33,29.27) v1(73.33,28.66) v1(73.46,36.75) v1(73.52,21.57) v1(73.52,20.24) v1(73.52,17.88) v1(73.78,38.08) v1(73.94,42.17) v1(74.16,31.03) v1(74.16,30.59) v1(74.22,36.75) v1(74.25,32.72) v1(74.22,26) v1(74.47,43.29) v1(74.6,31.03) v1(74.6,30.59) v1(74.73,20.24) v1(74.86,21.95) v1(75.01,32.32) v1(75.04,17.88) v1(75.24,45.32) v1(75.26,37.24) v1(75.55,20.24) v1(75.74,45.96) v1(75.68,21.89) v1(75.81,17.88) v1(76.13,43.92) v1(76.25,45.96) v1(76.25,45.32) v1(76.19,32.3) v1(76.32,20.24) v1(76.57,27.22) v1(76.57,21.83) v1(76.58,29.86) v1(76.63,17.88) v1(76.76,45.96) v1(76.76,45.32) v1(77.14,34.75) v1(77.08,20.24) v1(77.27,45.96) v1(77.27,45.32) v1(77.27,44.3) v1(77.33,25.83) v1(77.46,25.13) v1(77.47,22.18) v1(77.46,17.88) v1(77.51,26.52) v1(77.65,43.03) v1(77.65,34.75) v1(77.71,32.3) v1(77.9,41.19) v1(77.97,27.79) v1(77.97,25.44) v1(77.9,20.24) v1(78.03,30.14) v1(78.16,39.67) v1(78.11,36.18) v1(78.11,35.47) v1(78.11,34.75) v1(78.47,36.81) v1(78.6,17.87) v1(78.86,30.14) v1(78.92,58.4) v1(78.98,38.46) v1(79.05,20.3) v1(79.11,32.3) v1(79.15,22.71) v1(79.17,17.87) v1(79.33,39.17) v1(79.3,23.35) v1(79.3,9.76) v1(79.3,9.13) v1(79.3,8.49) v1(79.43,43.35) v1(79.62,20.3) v1(79.68,30.08) v1(79.74,27.22) v1(79.81,58.78) v1(79.94,57.64) v1(79.94,9.76) v1(79.94,8.49) v1(80.13,30.65) v1(80.13,26.65) v1(80.19,39.53) v1(80.19,37.64) v1(80.19,32.3) v1(80.19,20.3) v1(80.57,9.76) v1(80.57,9.13) v1(80.57,8.49) v1(82.92,24.3) v1(83.19,33.28) v1(83.36,19.67) v1(83.49,39.2) v1(83.64,41.82) v1(83.62,17.06) v1(83.69,44.76) v1(83.75,26.97) v1(83.85,49.69) v1(83.81,29.64) v1(83.81,24.43) v1(83.9,33.59) v1(84,23.92) v1(84,23.22) v1(84,19.48) v1(84.2,39.2) v1(84.25,16.87) v1(84.28,45.17) v1(84.57,27.29) v1(84.51,24.62) v1(84.57,19.22) v1(84.62,42.53) v1(84.61,36.43) v1(84.61,33.89) v1(87.3,37.45) v1(87.49,33.13) v1(87.75,47.98) v1(87.81,44.88) v1(88.06,25.32) v1(88.06,15.6) v1(88.11,37.75) v1(88.25,18.08) v1(88.32,45.26) v1(88.32,35.26) v1(88.44,48.43) v1(88.44,33.45) v1(88.83,31.03) v1(88.83,29.32) v1(88.89,45.64) v1(88.89,25.32) v1(88.89,15.35) v1(88.95,9.63) v1(88.95,9) v1(88.95,8.36) v1(88.98,38.06) v1(89.08,27.73) v1(89.21,33.45) v1(89.33,49) v1(89.4,31.03) v1(89.49,35.72) v1(89.59,46.15) v1(89.65,17.63) v1(89.59,9.63) v1(89.59,9) v1(89.59,8.36) v1(89.71,25.32) v1(89.71,15.03) v1(89.97,33.45) v1(89.94,31.03) v1(90.03,27.73) v1(90.22,38.59) v1(90.22,9.63) v1(90.22,9) v1(90.22,8.36) v1(90.45,36.13) v1(90.54,25.32) v1(90.48,17.38) v1(90.54,14.78) v1(91.05,50.02) v1(91.05,47.16) v1(91.11,38.84) v1(91.21,36.38) v1(91.81,50.27) v1(91.81,47.67) v1(91.94,16.87) v1(91.94,14.27) v1(92,27.73) v1(92,25.32) v1(92.57,50.46) v1(92.57,47.92) v1(92.57,39.12) v1(92.57,36.75) v1(92.7,16.55) v1(92.7,14.08) v1(92.89,27.73) v1(92.89,25.32) v1(93.33,50.59) v1(93.33,48.11) v1(93.4,39.12) v1(93.4,36.75) v1(93.46,16.36) v1(93.46,13.95) v1(93.84,27.73) v1(93.84,25.32) v1(94.16,50.59) v1(94.16,48.18) v1(94.22,39.12) v1(94.22,36.75) v1(94.22,16.3) v1(94.22,13.89) v1(94.6,12.81) v1(94.98,50.59) v1(94.98,48.18) v1(94.98,47.42) v1(95.05,17.13) v1(95.02,16.3) v1(95.02,13.89) v1(95.43,40.3) v1(95.56,51.73) v1(95.49,12.81) v1(95.68,47.03) v1(96.25,12.81) v1(96.38,51.73) v1(96.45,47.03) v1(96.38,40.3) v1(97.08,12.81) v1(97.27,51.73) v1(97.33,47.03) v1(97.4,40.3) v1(97.87,50.59) v1(97.84,49.32) v1(97.87,48.11) v1(97.84,15.03) v1(97.84,13.63) v1(97.84,12.81) v1(97.92,16.57) v2(1.2,55.73) v2(1.2,54.46) v2(1.2,53.19) v2(1.2,51.92) v2(1.2,50.65) v2(1.2,49.38) v2(1.2,48.11) v2(1.2,46.84) v2(1.2,45.57) v2(1.2,44.3) v2(1.2,43.03) v2(1.2,41.76) v2(1.2,40.49) v2(1.2,39.22) v2(1.2,37.95) v2(1.2,36.68) v2(1.2,35.41) v2(1.2,34.14) v2(3.23,44.18) v2(3.86,36.68) v2(4.24,41) v2(4.37,54.08) v2(5.64,49.26) v2(7.55,60.81) v2(8.82,60.81) v2(9.32,55.1) v2(9.7,43.03) v2(10.09,60.81) v2(10.97,59.16) v2(11.36,60.81) v2(14.78,43.67) v2(15.29,60.43) v2(15.42,48.37) v2(15.55,55.99) v2(17.96,54.34) v2(18.72,22.59) v2(19.86,47.35) v2(19.99,50.4) v2(21.01,45.07) v2(21.39,53.96) v2(21.39,53.19) v2(21.39,52.56) v2(21.39,51.92) v2(21.39,42.78) v2(22.91,21.83) v2(23.42,52.05) v2(29.26,60.56) v2(33.71,53.7) v2(35.23,52.81) v2(35.87,60.18) v2(38.47,53.89) v2(38.47,53.32) v2(38.47,52.75) v2(39.04,53.89) v2(39.04,53.32) v2(39.04,52.75) v2(39.04,46.34) v2(39.3,60.56) v2(39.42,0.87) v2(39.61,53.89) v2(39.61,53.32) v2(39.61,52.75) v2(40.69,0.87) v2(41.96,0.87) v2(48.95,13.06) v2(52,31.1) v2(53.65,42.65) v2(54.03,46.97) v2(54.66,36.05) v2(55.17,38.59) v2(55.42,42.78) v2(56.69,38.08) v2(58.47,41.64) v2(58.6,26.4) v2(58.98,60.81) v2(58.98,46.84) v2(59.11,4.81) v2(59.74,5.06) v2(60.25,60.81) v2(60.38,5.06) v2(61.52,60.81) v2(62.79,60.81) v2(64.06,60.81) v2(65.33,60.81) v2(65.71,4.3) v2(66.47,9.38) v2(66.47,8.74) v2(66.47,8.11) v2(66.6,60.81) v2(66.73,5.06) v2(66.73,4.3) v2(66.73,3.54) v2(67.11,8.74) v2(67.62,5.06) v2(67.87,60.81) v2(68.38,5.06) v2(68.38,3.54) v2(69.14,60.81) v2(70.41,60.81) v2(71.68,60.81) v2(72.95,60.81) v2(74.22,60.81) v2(75.11,9.89) v2(75.11,9.13) v2(75.49,60.81) v2(76.76,60.81) v2(78.03,60.81) v2(78.67,1.12) v2(79.3,60.81) v2(79.94,1.12) v2(80.57,60.81) v2(81.21,1.12) v2(81.84,60.81) v2(82.48,1.12) v2(83.11,60.81) v2(83.75,1.12) v2(84.38,60.81) v2(85.02,1.12) v2(85.65,60.81) v2(86.29,1.12) v2(86.92,60.81) v2(87.43,4.81) v2(87.56,1.12) v2(87.94,55.48) v2(88.19,60.81) v2(88.83,1.12) v2(88.95,53.58) v2(89.46,60.81) v2(90.1,1.12) v2(90.22,42.65) v2(90.6,3.28) v2(90.73,60.81) v2(90.73,35.41) v2(91.37,1.12) v2(91.49,53.45) v2(91.75,59.04) v2(92,60.81) v2(92.13,56.12) v2(92.51,18.9) v2(92.64,45.07) v2(92.64,1.12) v2(92.84,33.71) v2(92.82,30.77) v2(93.27,60.81) v2(93.52,51.8) v2(93.52,11.92) v2(93.65,46.97) v2(93.65,43.8) v2(93.91,35.16) v2(94.29,20.94) v2(94.98,32.24) v2(95.3,41.64) v2(95.3,8.11) v2(95.81,11.79) v2(96.19,53.07) v2(96.7,43.8) v2(96.95,46.08) v2(98.1,34.78) v2(98.1,11.92) v2(98.22,19.41) v2(98.35,30.46) v2(98.35,23.48) v2(98.99,55.1) v2(98.99,53.83) v2(98.99,52.56) v2(98.99,51.29) v2(98.99,50.02) v2(98.99,48.75) v2(98.99,47.48) v2(98.99,46.21) v2(98.99,44.94) v2(98.99,43.67) v2(98.99,42.4) v2(98.99,41.13) v2(98.99,39.86) v2(98.99,38.59) v2(98.99,37.32) v2(98.99,36.05) v2(98.99,34.78) v2(98.99,33.51) v2(98.99,32.24) v2(98.99,30.97) v2(98.99,29.7) v2(98.99,28.43) v2(98.99,27.16) v2(98.99,25.89) v2(98.99,24.62) v2(98.99,23.35) v2(98.99,22.08) v2(98.99,20.81) v2(98.99,19.54) v2(98.99,18.27) v2(98.99,17) v2(98.99,15.73) v2(98.99,14.46) v2(98.99,13.19) v2(98.99,11.92) v2(98.99,10.65) v2(98.99,9.38) v2(98.99,8.11) v2(98.99,6.84) v2(98.99,5.57)
